# Altium PCB 冰墩墩.pcbdoc
Units mil, origin at the board's own origin, x right, y up, seen from the top; angles counter-clockwise.
Board outline 3531.82 x 3805.52 mil, 2 copper layers (Top Layer, Bottom Layer); 8 components, 9 nets, 1 pads, 0 vias.
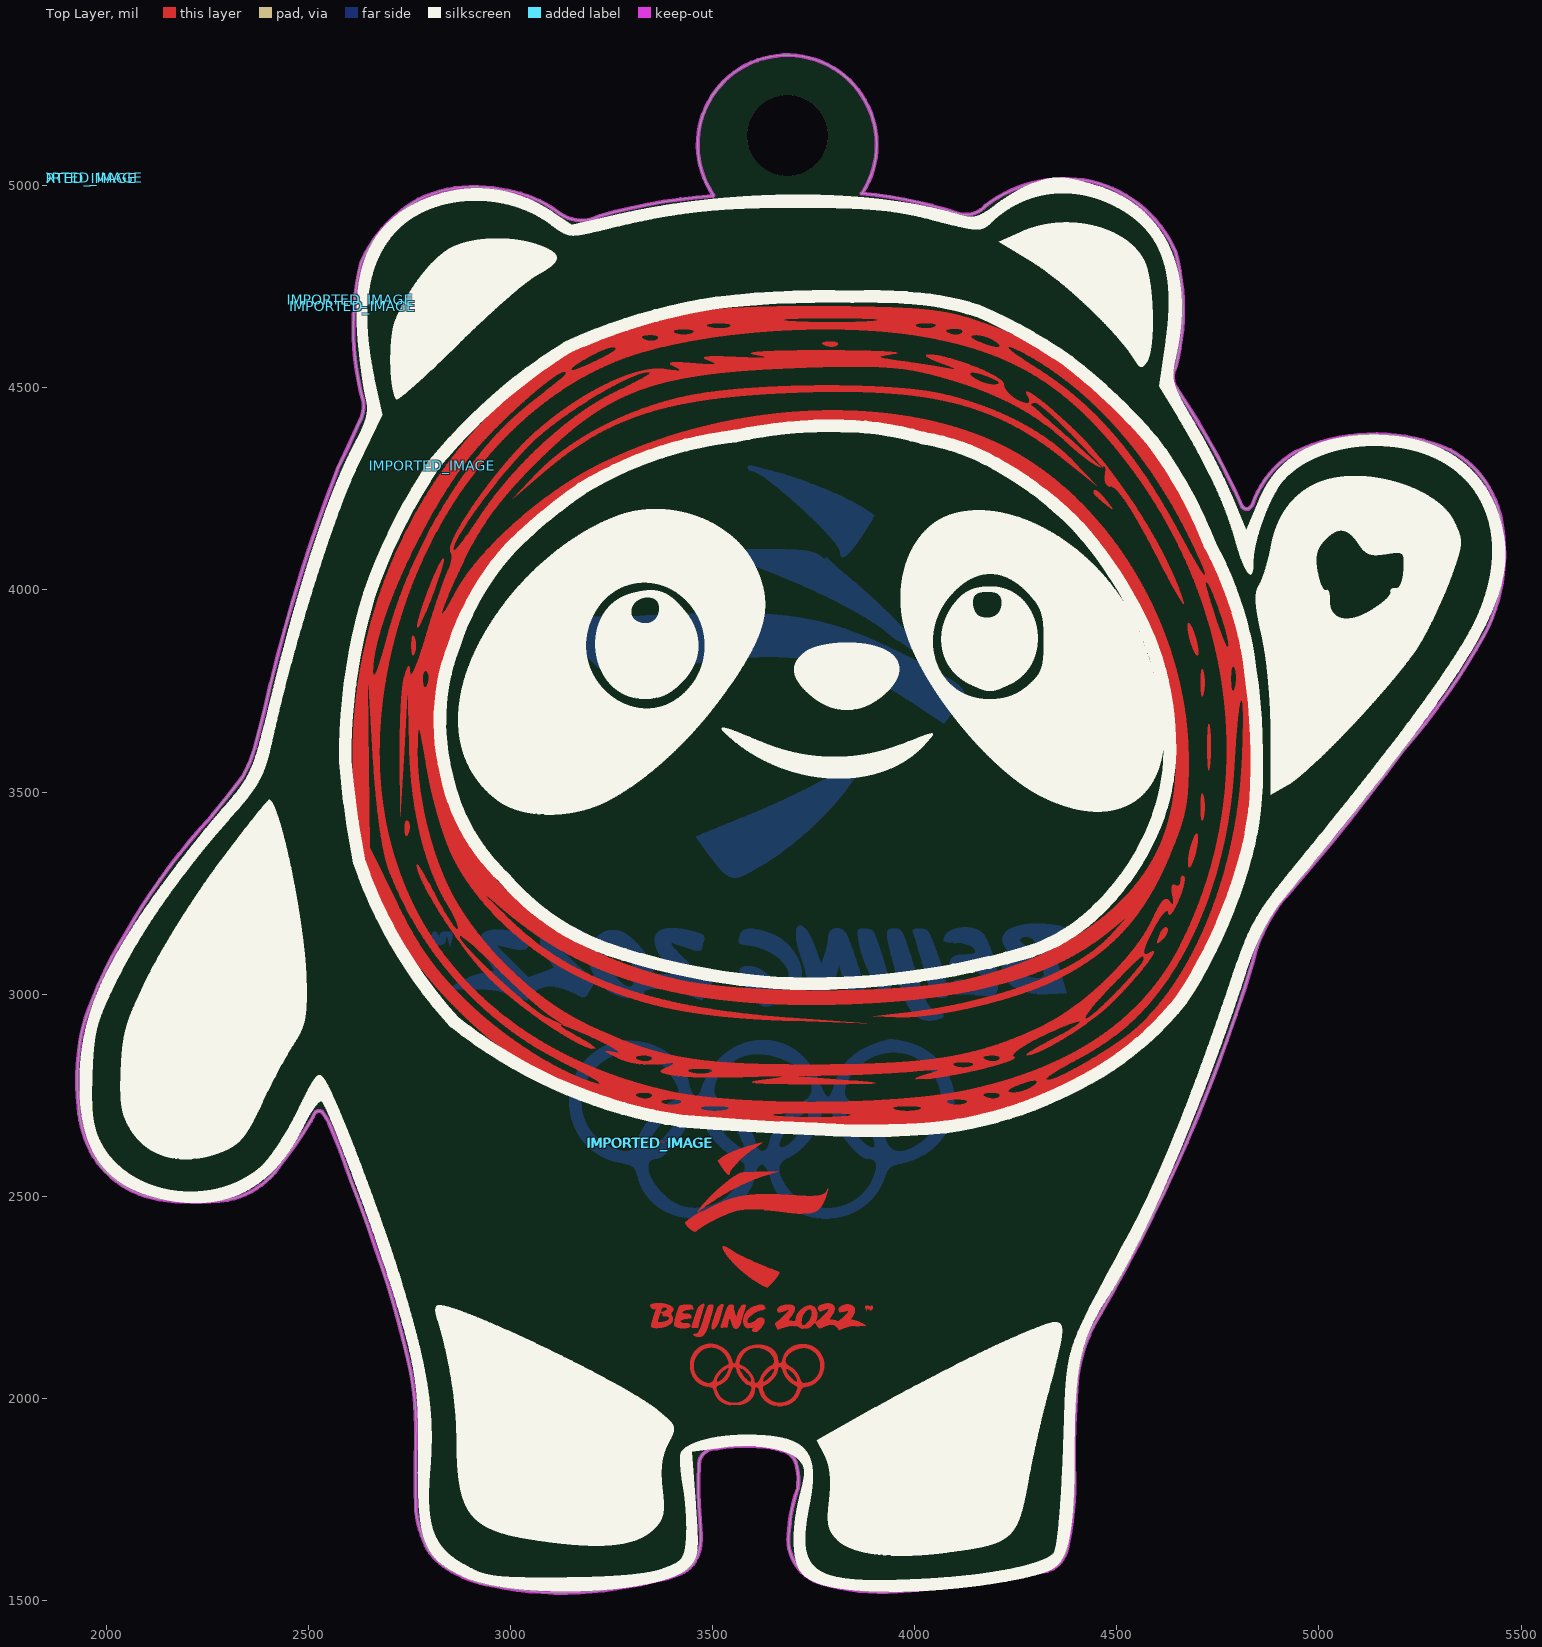
[diagram p0: Top Layer view]
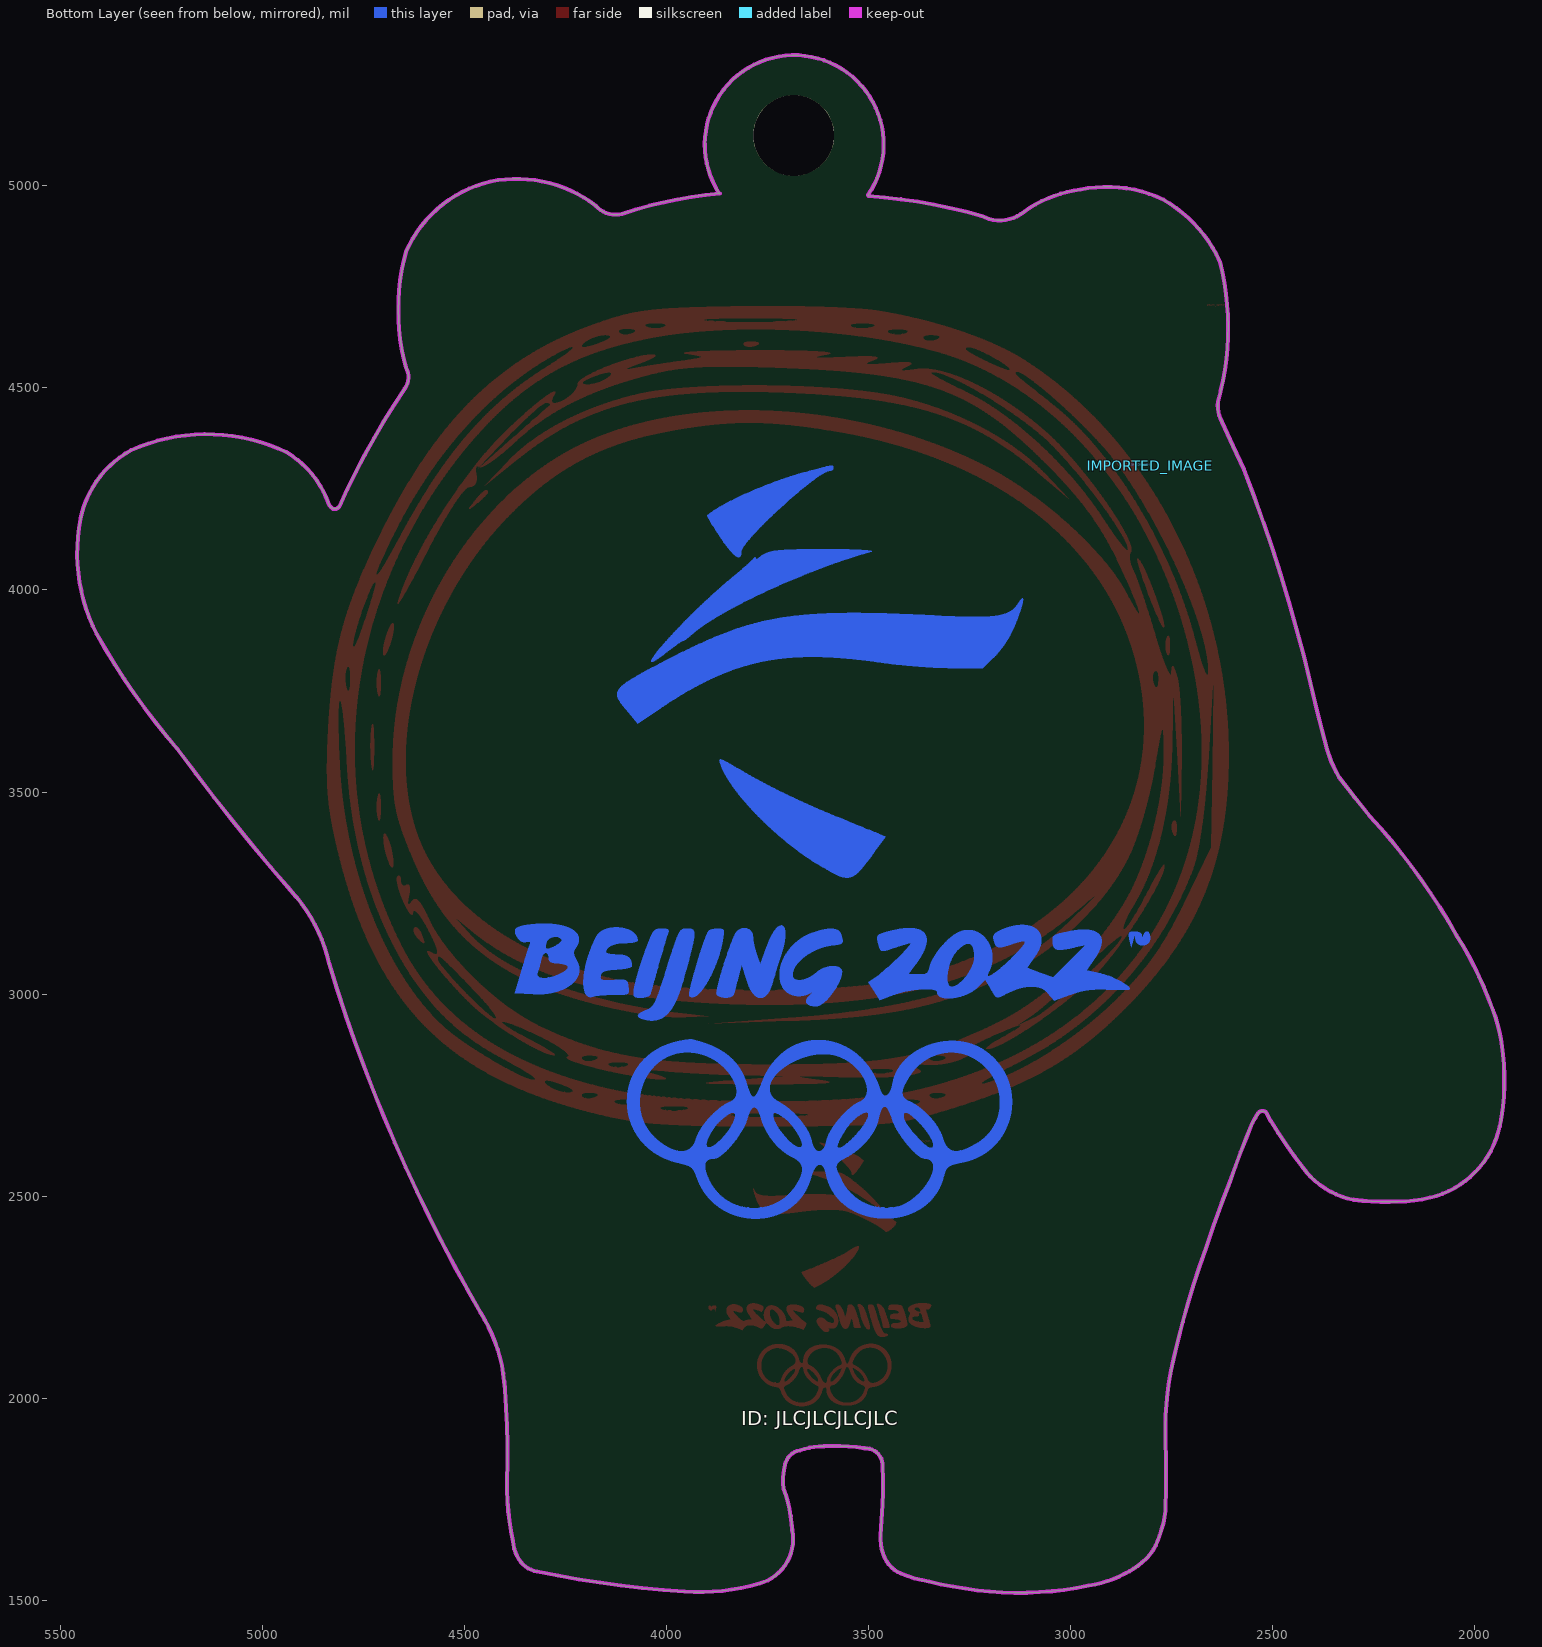
[diagram p1: Bottom Layer view, seen from below]

## Layer stack, top to bottom
Top Solder: solder mask 0.4, Solder Resist, Dk 3.5
Top Layer: signal copper 1.4
Dielectric1: dielectric 12.6, FR-4, Dk 4.8
Bottom Layer: signal copper 1.4
Bottom Solder: solder mask 0.4, Solder Resist, Dk 3.5

## Board outline
2210.1,2485.94 ccw(c2220.82,3105.55) 2300.1,2490.94 ccw(c2262.68,2687.07) 2425.1,2570.94 ccw(c1106.26,3573.72) 2505.1,2685.94 cw(c2962.91,2469.54) 2515.1,2705.94 cw(c2525.1,2697.16) 2535.1,2705.94 cw(c2260.47,2524.16) 2550.1,2680.94 cw(c585.95,1852.98) 2605.1,2535.94 cw(c-61.69,1472.78) 2665.1,2370.94 cw(c526.65,1599.71) 2745.1,2095.94 cw(c2025.3,1923.59) 2765.1,1900.94 ccw(c6810.1,1810.94) 2765.1,1720.94 ccw(c3034.22,1752.53) 2785.1,1645.94 ccw(c2886.35,1680.94) 2815.1,1600.94 ccw(c2941.33,1728.04) 2865.1,1565.94 ccw(c2994.44,1803.95) 2955.1,1535.94 ccw(c3129.51,2376.22) 3200.1,1520.94 ccw(c3100.61,2580.42) 3350.1,1545.94 ccw(c3299.74,1854.71) 3420.1,1565.94 ccw(c3390.63,1635.74) 3455.1,1595.94 ccw(c3361.31,1651.81) 3470.1,1660.94 ccw(c2189.73,1613.25) 3465.1,1735.94 cw(c4754.43,1783.44) 3465.1,1830.94 cw(c3507.75,1833.29) 3510.1,1875.94 cw(c3585.28,1374.82) 3610.1,1880.94 cw(c3608.75,1687.83) 3670.1,1870.94 cw(c3661.28,1825.22) 3705.1,1840.94 cw(c3552.6,1796.52) 3710.1,1775.94 ccw(c4044.88,1652.92) 3688.79,1673.21 3688.8,1673.21 ccw(c3800.61,1650.82) 3770.1,1540.94 ccw(c3921.46,2075.4) 3955.1,1520.94 ccw(c3777.31,4176.07) 4320.1,1570.94 ccw(c4310.21,1634.54) 4365.1,1600.94 ccw(c4283.26,1653.22) 4380.1,1645.94 ccw(c3687.91,1790.91) 4395.1,1795.94 cw(c6254.96,1867.16) 4400.1,2020.94 cw(c4785.55,2003.69) 4460.1,2210.94 ccw(c909.44,4263.64) 4835.34,3077 4835.1,3075.94 cw(c5209.29,2993.52) 4930.1,3255.94 ccw(c513.68,7076.08) 5210.1,3605.94 ccw(c3907.21,4732.93) 5410.1,3890.94 ccw(c5022.46,4090.65) 5450.1,4175.94 ccw(c5204.82,4126.54) 5325.1,4345.94 ccw(c5138.04,3924.86) 4940.1,4340.94 ccw(c5066.9,4131.12) 4835.1,4210.94 cw(c4811.55,4224.49) 4825.1,4200.94 cw(c4821.55,4215.28) 4810.1,4205.94 ccw(c2987.87,3386.87) 4648.08,4498.23 4648.07,4498.23 cw(c4684.98,4526.75) 4645.1,4550.94 ccw(c4108.24,4693.44) 4645.1,4835.94 ccw(c4366.62,4715.26) 4435.1,5010.94 ccw(c4370.53,4697.42) 4175.1,4950.94 cw(c4126.24,4994.13) 4110.1,4930.94 ccw(c3767.36,3895.88) 3868.16,4981.54 3869.14,4980.9 ccw(c3683.94,5102.26) 3501.46,4976.87 3500.53,4975.45 ccw(c3612.33,3523.43) 3220.1,4925.94 cw(c3175.12,5009.9) 3115.1,4935.94 ccw(c2938.84,4692.94) 2975.1,4990.94 ccw(c2909.08,4679.37) 2770.1,4965.94 ccw(c2940.02,4670.49) 2630.05,4812.19 ccw(c3290.77,4648.68) 2635.1,4465.94 cw(c2555.64,4455.83) 2625.1,4415.94 2625.11,4415.94 cw(c-3843.83,7319.01) 2570.71,4297.64 2570.75,4297.62 ccw(c6467.58,2792.14) 2390.1,3700.94 cw(c-1139.36,4578.96) 2365.1,3605.94 cw(c2078.41,3687.38) 2335.1,3535.94 cw(c-713.05,5865.27) 2260.1,3440.94 ccw(c3432.87,2360.37) 2045.1,3145.94 ccw(c2837.08,2646.26) 1955.1,2960.94 ccw(c2316.49,2820.97) 1930.1,2850.94 ccw(c2521.6,2785.94) 1930.1,2720.94 ccw(c2232.9,2744.43) 1960.1,2610.94 ccw(c2165.61,2723.66) 2110.1,2495.94 ccw(c2202.74,2917.34)

## Design rules (kind name [scope] priority, off if disabled: settings)
Clearance [All] p1: gap=10 ignorepadtopadclearanceinfootprint=FALSE except(0: Arc-Hole Track-Hole SMDPad-Hole THPad-Hole Via-Hole Fill-Hole Poly-Hole Region-Hole Text-Hole)
PolygonConnect [All] p1: connectstyle=Relief reliefconductorwidth=10 reliefentries=4 polygonreliefangle="90 Angle" airgapwidth=10
RoutingVias [All] p1: holewidth=28 width=50 viastyle="Through Hole" minholewidth=28 minwidth=50 maxholewidth=28 maxwidth=50
SolderMaskExpansion [All] p1: expansion=4 istentingtop=FALSE
Width [All] p1: maxlimit=10 minlimit=10 preferedwidth=10
30 further rules are at their usual default settings.

## Components (designator, comment, footprint, x,y, rotation, side; value= is the part's Value field where it differs from the comment)
IMPORTED_IMAGE "Comment" IMPORTED_IMAGE#1 2805.01,4306.92 r0 top
IMPORTED_IMAGE "Comment" IMPORTED_IMAGE#2 2803.06,4307.5 r0 bottom
IMPORTED_IMAGE "Comment" IMPORTED_IMAGE#1 1918.76,5018.81 r0 top
IMPORTED_IMAGE "Comment" IMPORTED_IMAGE#1 3344.3,2630.38 r0 top
IMPORTED_IMAGE "Comment" IMPORTED_IMAGE#1 2603.08,4718.46 r0 top
IMPORTED_IMAGE "Comment" IMPORTED_IMAGE#1 1932.54,5020.63 r0 top
IMPORTED_IMAGE "Comment" IMPORTED_IMAGE#3 3346.17,2632.41 r0 top
IMPORTED_IMAGE "Comment" IMPORTED_IMAGE#4 2608.71,4702.52 r0 top

## Footprints (in the part's own frame and the unit in brackets; to place one, negate y for a bottom-side part, rotate by r counter-clockwise, add the part's x,y. Pads: shape width x height; smd on the part's side, far side on the other; paste and mask are expansions set on the pad)
IMPORTED_IMAGE#1 [mil]
IMPORTED_IMAGE#2 [mil]
  Top Layer region: 394 vertices and 0 holes, not listed, extent 783.84,-0.39 1096.16,226.21
  Top Layer region: 727 vertices and 0 holes, not listed, extent 689.04,206.42 1234.62,485.41
  Top Layer region: 858 vertices and 0 holes, not listed, extent 314.53,328.41 1318.98,638.18
  Top Layer region: 524 vertices and 0 holes, not listed, extent 654.74,726.96 1065.74,1019.41
  Top Layer region: 340 vertices and 0 holes, not listed, extent 0,1152.74 52.59,1191.93
  Top Layer region: 794 vertices and 2 holes, not listed, extent 1412.55,1133.34 1572.84,1308.29
  Top Layer region: 840 vertices and 0 holes, not listed, extent 1268.39,1142.54 1402.55,1314.95
  Top Layer region: 290 vertices and 0 holes, not listed, extent 1054.86,1145.72 1141,1315.17
  Top Layer region: 296 vertices and 0 holes, not listed, extent 1191.79,1145.62 1278.47,1316.78
  Top Layer region: 621 vertices and 0 holes, not listed, extent 902.71,1137.82 1073.21,1317.18
  Top Layer region: 2339 vertices and 1 holes, not listed, extent 50.09,1136.46 697.06,1324.48
  Top Layer region: 941 vertices and 0 holes, not listed, extent 761.14,1145.86 917.2,1337.9
  Top Layer region: 385 vertices and 0 holes, not listed, extent 1128.05,1145.62 1267.44,1373.15
  Top Layer region: 3524 vertices and 9 holes, not listed, extent 341.65,1419.69 1294.75,1863.32
IMPORTED_IMAGE#3 [mil]
  Top Layer region: 208 vertices and 0 holes, not listed, extent 165.38,-79.33 275.44,0.04
  Top Layer region: 220 vertices and 0 holes, not listed, extent 116.01,-171.26 316.32,-72.34
  Top Layer region: 629 vertices and 0 holes, not listed, extent 85.65,-220.22 438.85,-113.66
  Top Layer region: 262 vertices and 0 holes, not listed, extent 177.91,-359.65 318.51,-256.68
  Top Layer region: 534.76,-411.23 532.98,-417.46 531.62,-410.6 531.42,-409.55 531.26,-408.6 531.16,-407.77 531.11,-407.03 531.12,-406.38 531.19,-405.83 531.32,-405.35 531.53,-404.95 531.81,-404.62 532.16,-404.35 532.6,-404.14 533.12,-403.98 533.73,-403.87 534.44,-403.8 535.24,-403.76 536.14,-403.74 537.33,-403.81 538.45,-403.99 539.46,-404.28 540.36,-404.66 541.11,-405.12 541.69,-405.65 542.07,-406.23 542.23,-406.86 542.3,-407.68 542.38,-408.26 542.49,-408.61 542.64,-408.73 542.82,-408.61 543.06,-408.26 543.34,-407.68 543.68,-406.86 544.07,-406.03 544.49,-405.34 544.94,-404.78 545.41,-404.35 545.89,-404.05 546.38,-403.87 546.86,-403.82 547.32,-403.88 547.77,-404.07 548.18,-404.37 548.55,-404.78 548.88,-405.3 549.14,-405.94 549.34,-406.68 549.47,-407.52 549.52,-408.46 549.44,-409.44 549.22,-410.41 548.87,-411.35 548.42,-412.22 547.86,-413.01 547.23,-413.69 546.53,-414.24 545.78,-414.62 544.32,-414.98 543.13,-414.88 542.33,-414.38 542.03,-413.49 541.98,-413.01 541.84,-412.62 541.61,-412.33 541.3,-412.14 540.93,-412.05 540.51,-412.08 540.04,-412.22 539.54,-412.47 539.03,-412.69 538.55,-412.72 538.11,-412.56 537.71,-412.24 537.36,-411.76 537.09,-411.13 536.9,-410.38 536.8,-409.5 536.76,-408.97 536.71,-408.52 536.65,-408.15 536.58,-407.87 536.5,-407.68 536.4,-407.57 536.29,-407.55 536.17,-407.61 536.04,-407.76 535.9,-408 535.74,-408.32 535.57,-408.73 535.39,-409.22 535.19,-409.8 534.98,-410.47 534.76,-411.23
  Top Layer region: 109.55,-458.61 108.22,-458.6 107.04,-458.57 106,-458.52 105.09,-458.43 104.32,-458.31 103.66,-458.15 103.13,-457.93 102.7,-457.67 102.37,-457.35 102.13,-456.96 101.98,-456.5 101.91,-455.97 101.92,-455.36 101.99,-454.67 102.12,-453.88 102.31,-453 102.52,-452.04 102.77,-451.02 103.04,-449.95 103.33,-448.83 103.64,-447.66 103.98,-446.45 104.33,-445.2 104.7,-443.92 105.09,-442.6 105.49,-441.26 105.9,-439.89 106.33,-438.5 106.78,-437.09 107.23,-435.67 107.69,-434.23 108.16,-432.79 108.64,-431.35 109.12,-429.91 109.61,-428.48 110.1,-427.05 110.6,-425.63 111.09,-424.23 111.59,-422.84 112.08,-421.48 112.57,-420.15 113.06,-418.85 113.55,-417.58 114.02,-416.34 114.49,-415.15 114.95,-414 115.41,-412.9 115.85,-411.85 116.22,-411.04 116.65,-410.24 117.13,-409.45 117.66,-408.66 118.23,-407.89 118.84,-407.14 119.47,-406.41 120.14,-405.7 120.83,-405.01 121.55,-404.35 122.27,-403.71 123.01,-403.11 123.75,-402.55 124.49,-402.02 125.23,-401.53 125.97,-401.08 126.69,-400.68 127.39,-400.33 128.07,-400.03 128.73,-399.78 129.36,-399.58 129.95,-399.45 130.5,-399.37 131.01,-399.36 131.47,-399.42 131.88,-399.54 132.23,-399.73 132.52,-400 132.74,-400.35 132.9,-400.77 132.97,-401.28 132.97,-401.87 132.81,-402.48 132.29,-404.22 131.46,-406.94 130.36,-410.51 129.03,-414.78 127.52,-419.61 126.06,-424.26 125.49,-426.07 124.73,-428.49 123.99,-430.89 123.28,-433.26 122.6,-435.57 121.95,-437.82 121.33,-439.99 120.76,-442.07 120.23,-444.03 119.75,-445.88 119.32,-447.58 118.95,-449.13 118.63,-450.52 118.38,-451.73 118.2,-452.74 118.09,-453.55 118.05,-454.12 118.04,-454.44 118.02,-454.74 117.99,-455.03 117.95,-455.31 117.89,-455.57 117.82,-455.82 117.74,-456.05 117.64,-456.28 117.52,-456.49 117.39,-456.69 117.24,-456.88 117.08,-457.06 116.9,-457.22 116.7,-457.38 116.48,-457.52 116.24,-457.66 115.99,-457.78 115.71,-457.9 115.42,-458 115.1,-458.1 114.77,-458.19 114.41,-458.26 114.03,-458.33 113.63,-458.39 113.2,-458.45 112.76,-458.49 112.28,-458.53 111.79,-458.56 111.27,-458.58 110.72,-458.6 110.15,-458.61 109.55,-458.61
  Top Layer region: 258 vertices and 2 holes, not listed, extent -0.88,-458.92 56.07,-397.45
  Top Layer region: 328 vertices and 0 holes, not listed, extent 58.37,-459.53 104.95,-401.3
  Top Layer region: 320 vertices and 0 holes, not listed, extent 173.58,-460.52 234.95,-401.25
  Top Layer region: 153.67,-462.38 153.37,-462.36 153.08,-462.31 152.8,-462.23 152.53,-462.11 152.28,-461.95 152.05,-461.75 151.82,-461.52 151.62,-461.24 151.43,-460.93 151.25,-460.57 151.09,-460.18 150.95,-459.74 150.83,-459.26 150.72,-458.74 150.64,-458.18 150.57,-457.58 150.52,-456.93 150.5,-456.23 150.49,-455.49 150.5,-455.28 150.52,-455.04 150.55,-454.77 150.59,-454.46 150.64,-454.13 150.7,-453.77 150.78,-453.38 150.96,-452.52 151.17,-451.57 151.43,-450.51 151.72,-449.38 152.04,-448.15 152.39,-446.86 152.77,-445.5 153.18,-444.07 153.61,-442.59 154.07,-441.06 154.54,-439.49 155.04,-437.88 155.55,-436.24 156.08,-434.58 156.62,-432.9 157.17,-431.21 157.73,-429.52 158.29,-427.83 158.86,-426.15 159.44,-424.48 160.01,-422.84 160.58,-421.22 161.15,-419.64 161.72,-418.1 162.27,-416.61 162.55,-415.88 162.82,-415.17 163.09,-414.47 163.35,-413.79 163.62,-413.12 163.88,-412.48 164.13,-411.85 164.59,-410.82 165.09,-409.82 165.65,-408.86 166.24,-407.94 166.87,-407.06 167.53,-406.22 168.22,-405.43 168.93,-404.68 169.66,-403.98 170.39,-403.33 171.14,-402.73 171.89,-402.18 172.63,-401.69 173.37,-401.26 174.09,-400.89 174.8,-400.58 175.48,-400.33 176.14,-400.15 176.76,-400.04 177.35,-399.99 177.89,-400.02 178.39,-400.12 178.83,-400.3 179.22,-400.56 179.55,-400.89 179.81,-401.3 180,-401.8 180.11,-402.39 180.14,-403.06 180.08,-403.82 179.94,-404.67 179.69,-405.61 178.44,-409.91 176.15,-417.85 173.2,-428.1 171.42,-434.3 171.11,-435.36 170.78,-436.4 170.45,-437.44 170.11,-438.46 169.75,-439.47 169.39,-440.46 169.02,-441.44 168.64,-442.4 168.25,-443.35 167.86,-444.28 167.46,-445.19 167.05,-446.09 166.64,-446.97 166.22,-447.83 165.8,-448.67 165.38,-449.49 164.95,-450.29 164.52,-451.07 164.09,-451.83 163.65,-452.56 163.21,-453.28 162.78,-453.97 162.34,-454.64 161.9,-455.28 161.46,-455.9 161.03,-456.49 160.59,-457.06 160.16,-457.61 159.73,-458.13 159.31,-458.62 158.88,-459.08 158.47,-459.51 158.05,-459.92 157.65,-460.3 157.25,-460.64 156.85,-460.96 156.46,-461.25 156.08,-461.5 155.71,-461.73 155.35,-461.92 154.99,-462.08 154.64,-462.2 154.31,-462.29 153.98,-462.35 153.67,-462.38
  Top Layer region: 1204 vertices and 1 holes, not listed, extent 308.31,-463.86 532.06,-398.09
  Top Layer region: 450 vertices and 0 holes, not listed, extent 229.16,-468.55 283.25,-401.38
  Top Layer region: 224 vertices and 0 holes, not listed, extent 105.67,-480.69 154.94,-401.25
  Top Layer region: 1616 vertices and 9 holes, not listed, extent 97.28,-652.26 429.4,-498.08
IMPORTED_IMAGE#4 [mil]
  Top Layer region: 162 vertices and 0 holes, not listed, extent 1162.52,-100.28 1200.59,-87.91
  Top Layer region: 1201 vertices and 0 holes, not listed, extent 396.38,-476.75 1841.21,-196.3
  Top Layer region: 1879.35,-501.86 1879.08,-501.82 1878.74,-501.71 1878.33,-501.52 1877.84,-501.27 1877.28,-500.95 1876.65,-500.55 1875.94,-500.09 1875.16,-499.56 1874.3,-498.96 1873.37,-498.29 1872.36,-497.55 1871.28,-496.75 1870.12,-495.87 1868.88,-494.94 1867.57,-493.93 1865.7,-492.49 1863.69,-490.93 1861.55,-489.25 1860.42,-488.37 1857.68,-486.19 1855.02,-484.01 1852.45,-481.85 1849.98,-479.72 1847.63,-477.63 1845.41,-475.6 1843.34,-473.64 1841.42,-471.76 1839.69,-469.99 1838.13,-468.32 1836.78,-466.79 1835.65,-465.39 1834.74,-464.14 1834.07,-463.07 1833.66,-462.17 1833.52,-461.47 1833.53,-460.89 1833.56,-460.34 1833.61,-459.83 1833.67,-459.34 1833.75,-458.88 1833.85,-458.46 1833.97,-458.06 1834.11,-457.69 1834.26,-457.36 1834.43,-457.05 1834.62,-456.77 1834.82,-456.52 1835.04,-456.31 1835.28,-456.12 1835.54,-455.96 1835.81,-455.83 1836.1,-455.73 1836.4,-455.66 1836.73,-455.61 1837.06,-455.6 1837.42,-455.62 1837.79,-455.66 1838.17,-455.73 1838.58,-455.83 1838.99,-455.96 1839.43,-456.12 1839.88,-456.31 1840.34,-456.53 1840.82,-456.77 1841.31,-457.04 1841.82,-457.34 1842.34,-457.67 1842.88,-458.03 1843.44,-458.41 1844,-458.83 1844.59,-459.27 1845.18,-459.73 1845.79,-460.23 1846.42,-460.75 1847.05,-461.3 1847.71,-461.88 1848.37,-462.49 1849.05,-463.12 1849.74,-463.78 1850.45,-464.47 1851.17,-465.18 1851.9,-465.92 1852.64,-466.69 1853.4,-467.48 1854.17,-468.3 1854.96,-469.15 1855.75,-470.03 1856.56,-470.93 1857.38,-471.86 1858.21,-472.81 1859.05,-473.79 1859.91,-474.8 1860.78,-475.83 1861.66,-476.89 1862.55,-477.97 1863.45,-479.08 1864.36,-480.22 1865.29,-481.38 1866.22,-482.57 1867.96,-484.78 1869.58,-486.86 1871.08,-488.8 1872.13,-490.16 1873.11,-491.45 1874.03,-492.66 1874.88,-493.79 1875.66,-494.85 1876.37,-495.83 1877.02,-496.74 1877.6,-497.57 1878.11,-498.33 1878.55,-499.01 1878.92,-499.62 1879.22,-500.16 1879.45,-500.62 1879.61,-501.01 1879.7,-501.32 1879.72,-501.57 1879.67,-501.74 1879.54,-501.84 1879.35,-501.86
  Top Layer region: 168 vertices and 0 holes, not listed, extent 159.64,-794.8 225.81,-624.74
  Top Layer region: 194 vertices and 0 holes, not listed, extent 145.19,-863.65 156.14,-816.21
  Top Layer region: 258 vertices and 0 holes, not listed, extent 2066.24,-864.48 2092.66,-784.64
  Top Layer region: 187 vertices and 0 holes, not listed, extent 2098.39,-965.36 2108.32,-898.94
  Top Layer region: 177 vertices and 0 holes, not listed, extent 2114.95,-1148.25 2123.85,-1034.26
  Top Layer region: 186 vertices and 0 holes, not listed, extent 2098.39,-1272.77 2108.32,-1206.35
  Top Layer region: 162 vertices and 0 holes, not listed, extent 128.53,-1311.11 140.9,-1273.04
  Top Layer region: 2071.59,-1388.22 2070.7,-1388.6 2069.9,-1388.57 2069.17,-1388.11 2069.01,-1387.93 2068.85,-1387.72 2068.7,-1387.49 2068.55,-1387.23 2068.42,-1386.95 2068.29,-1386.64 2068.11,-1386.13 2067.95,-1385.58 2067.81,-1384.97 2067.68,-1384.31 2067.57,-1383.6 2067.48,-1382.85 2067.4,-1382.05 2067.34,-1381.21 2067.3,-1380.32 2067.27,-1379.39 2067.25,-1378.42 2067.26,-1377.42 2067.28,-1376.37 2067.31,-1375.29 2067.36,-1374.17 2067.43,-1373.02 2067.51,-1371.83 2067.61,-1370.61 2067.72,-1369.37 2067.84,-1368.09 2067.99,-1366.79 2068.14,-1365.46 2068.31,-1364.1 2068.5,-1362.72 2068.7,-1361.32 2068.92,-1359.9 2069.15,-1358.45 2069.39,-1356.99 2069.65,-1355.51 2069.92,-1354.02 2070.21,-1352.51 2070.51,-1350.98 2070.83,-1349.44 2071.15,-1347.9 2071.38,-1346.86 2071.61,-1345.82 2071.85,-1344.77 2072.1,-1343.73 2072.35,-1342.68 2072.6,-1341.62 2072.86,-1340.57 2073.95,-1336.43 2075.06,-1332.48 2076.21,-1328.72 2077.37,-1325.19 2078.55,-1321.89 2079.73,-1318.84 2080.9,-1316.07 2082.06,-1313.58 2083.19,-1311.4 2084.29,-1309.54 2085.35,-1308.03 2086.36,-1306.87 2087.31,-1306.1 2088.2,-1305.71 2089.01,-1305.74 2089.73,-1306.2 2089.9,-1306.38 2090.05,-1306.59 2090.21,-1306.83 2090.35,-1307.08 2090.48,-1307.37 2090.61,-1307.67 2090.79,-1308.18 2090.95,-1308.74 2091.09,-1309.35 2091.22,-1310 2091.33,-1310.71 2091.42,-1311.46 2091.5,-1312.26 2091.56,-1313.1 2091.61,-1313.99 2091.64,-1314.92 2091.65,-1315.89 2091.65,-1316.9 2091.63,-1317.94 2091.59,-1319.02 2091.54,-1320.14 2091.48,-1321.3 2091.39,-1322.48 2091.3,-1323.7 2091.19,-1324.95 2091.06,-1326.22 2090.92,-1327.53 2090.76,-1328.86 2090.59,-1330.21 2090.4,-1331.59 2090.2,-1332.99 2089.98,-1334.42 2089.75,-1335.86 2089.51,-1337.32 2089.25,-1338.8 2088.98,-1340.3 2088.69,-1341.81 2088.39,-1343.33 2088.08,-1344.87 2087.75,-1346.41 2087.52,-1347.45 2087.29,-1348.49 2087.05,-1349.54 2086.81,-1350.58 2086.56,-1351.64 2086.3,-1352.69 2086.04,-1353.74 2084.96,-1357.88 2083.84,-1361.84 2082.69,-1365.59 2081.53,-1369.13 2080.35,-1372.43 2079.17,-1375.47 2078,-1378.25 2076.84,-1380.73 2075.71,-1382.91 2074.61,-1384.77 2073.55,-1386.28 2072.54,-1387.44 2071.59,-1388.22
  Top Layer region: 1992.11,-1576.28 1991.91,-1576.26 1991.74,-1576.22 1991.58,-1576.16 1991.45,-1576.06 1991.32,-1575.94 1991.22,-1575.79 1991.13,-1575.62 1991.06,-1575.41 1991.01,-1575.18 1990.97,-1574.92 1990.95,-1574.49 1990.96,-1573.99 1991.02,-1573.42 1991.11,-1572.8 1991.23,-1572.11 1991.39,-1571.36 1991.59,-1570.54 1991.83,-1569.66 1992.1,-1568.72 1992.4,-1567.71 1992.74,-1566.64 1993.12,-1565.51 1993.53,-1564.31 1993.98,-1563.04 1994.46,-1561.71 1994.97,-1560.31 1995.52,-1558.85 1995.9,-1557.84 1996.45,-1556.44 1997.02,-1555.07 1997.59,-1553.75 1998.19,-1552.48 1998.79,-1551.24 1999.4,-1550.05 2000.02,-1548.91 2000.66,-1547.82 2001.29,-1546.77 2001.94,-1545.77 2002.58,-1544.82 2003.23,-1543.93 2003.89,-1543.09 2004.54,-1542.3 2005.19,-1541.57 2005.84,-1540.9 2006.49,-1540.29 2007.13,-1539.73 2007.77,-1539.24 2008.4,-1538.8 2009.02,-1538.43 2009.64,-1538.13 2010.24,-1537.89 2010.83,-1537.71 2011.41,-1537.61 2011.98,-1537.57 2012.53,-1537.61 2013.06,-1537.71 2013.57,-1537.89 2014.07,-1538.15 2014.55,-1538.48 2015,-1538.88 2015.22,-1539.11 2015.42,-1539.35 2015.6,-1539.6 2015.78,-1539.86 2015.94,-1540.13 2016.09,-1540.41 2016.22,-1540.7 2016.34,-1541 2016.45,-1541.31 2016.54,-1541.62 2016.62,-1541.95 2016.69,-1542.29 2016.75,-1542.63 2016.79,-1542.99 2016.82,-1543.35 2016.83,-1543.72 2016.84,-1544.09 2016.83,-1544.48 2016.81,-1544.87 2016.78,-1545.27 2016.74,-1545.68 2016.68,-1546.09 2016.61,-1546.51 2016.53,-1546.93 2016.44,-1547.36 2016.33,-1547.8 2016.22,-1548.24 2016.09,-1548.69 2015.95,-1549.14 2015.8,-1549.6 2015.64,-1550.06 2015.47,-1550.53 2015.28,-1551 2015.09,-1551.47 2014.88,-1551.95 2014.67,-1552.43 2014.44,-1552.92 2014.2,-1553.4 2013.95,-1553.89 2013.69,-1554.39 2013.42,-1554.88 2013.14,-1555.38 2012.85,-1555.88 2012.55,-1556.38 2012.24,-1556.89 2011.92,-1557.39 2011.58,-1557.9 2011.24,-1558.4 2010.89,-1558.91 2010.53,-1559.42 2010.16,-1559.92 2009.78,-1560.43 2009.39,-1560.94 2008.99,-1561.45 2008.58,-1561.95 2008.17,-1562.46 2007.74,-1562.96 2007.3,-1563.47 2006.86,-1563.97 2006.41,-1564.47 2005.94,-1564.96 2005.47,-1565.46 2004.99,-1565.95 2004.51,-1566.44 2003.46,-1567.47 2002.46,-1568.45 2001.5,-1569.37 2000.59,-1570.23 1999.72,-1571.04 1998.89,-1571.79 1998.1,-1572.48 1997.36,-1573.12 1996.66,-1573.7 1996,-1574.22 1995.38,-1574.68 1994.81,-1575.09 1994.27,-1575.43 1993.78,-1575.72 1993.33,-1575.95 1992.91,-1576.12 1992.54,-1576.23 1992.21,-1576.28 1992.11,-1576.28
  Top Layer region: 10546 vertices and 11 holes, not listed, extent 116.48,-1925.38 2068.67,-109.53
  Top Layer region: 2499 vertices and 23 holes, not listed, extent -0.01,-2029.55 2231.53,0

## Free pads (board coordinates)
  round 200 hole 200 unplated: ""(3685,5125)

## Nets (pads, with @x,y where several pads share a name; then routed paths per layer and width w, separated by ;. In a path a pad name is that pad's centre, name@x,y a point inside that pad or via, vN(x,y) a via of type N, cw(c..) or ccw(c..) an arc to the next point about the centre after c; other vN are vias at no path point)
S$60: 
S$116: 
S$150: 
S$152: 
S$337: 
S$360: 
S$363: 
S$396: 
S$399: 

## Keep-outs
Keep-Out Layer:
  lines w10: 2570.71,4297.64 ccw(c-3843.83,7319.01) 2625.11,4415.94 ccw(c2555.64,4455.83) 2635.1,4465.94 cw(c3290.77,4648.68) 2630.05,4812.19 cw(c2940.02,4670.49) 2770.1,4965.94 cw(c2909.08,4679.37) 2975.1,4990.94 cw(c2938.84,4692.94) 3115.1,4935.94 ccw(c3175.12,5009.9) 3220.1,4925.94 cw(c3612.33,3523.43) 3500.53,4975.45 ; 2570.75,4297.62 ccw(c6467.58,2792.14) 2390.1,3700.94 cw(c-1139.36,4578.96) 2365.1,3605.94 cw(c2078.41,3687.38) 2335.1,3535.94 cw(c-713.05,5865.27) 2260.1,3440.94 ccw(c3432.87,2360.37) 2045.1,3145.94 ccw(c2837.08,2646.26) 1955.1,2960.94 ccw(c2316.49,2820.97) 1930.1,2850.94 ccw(c2521.6,2785.94) 1930.1,2720.94 ccw(c2232.9,2744.43) 1960.1,2610.94 ccw(c2165.61,2723.66) 2110.1,2495.94 ccw(c2202.74,2917.34) 2210.1,2485.94 ccw(c2220.82,3105.55) 2300.1,2490.94 ccw(c2262.68,2687.07) 2425.1,2570.94 ccw(c1106.26,3573.72) 2505.1,2685.94 cw(c2962.91,2469.54) 2515.1,2705.94 cw(c2525.1,2697.16) 2535.1,2705.94 cw(c2260.47,2524.16) 2550.1,2680.94 cw(c585.95,1852.98) 2605.1,2535.94 cw(c-61.69,1472.78) 2665.1,2370.94 cw(c526.65,1599.71) 2745.1,2095.94 cw(c2025.3,1923.59) 2765.1,1900.94 ccw(c6810.1,1810.94) 2765.1,1720.94 ccw(c3034.22,1752.53) 2785.1,1645.94 ccw(c2886.35,1680.94) 2815.1,1600.94 ccw(c2941.33,1728.04) 2865.1,1565.94 ccw(c2994.44,1803.95) 2955.1,1535.94 ccw(c3129.51,2376.22) 3200.1,1520.94 ccw(c3100.61,2580.42) 3350.1,1545.94 ccw(c3299.74,1854.71) 3420.1,1565.94 ccw(c3390.63,1635.74) 3455.1,1595.94 ccw(c3361.31,1651.81) 3470.1,1660.94 ccw(c2189.73,1613.25) 3465.1,1735.94 cw(c4754.43,1783.44) 3465.1,1830.94 cw(c3507.75,1833.29) 3510.1,1875.94 cw(c3585.28,1374.82) 3610.1,1880.94 cw(c3608.75,1687.83) 3670.1,1870.94 cw(c3661.28,1825.22) 3705.1,1840.94 cw(c3552.6,1796.52) 3710.1,1775.94 ccw(c4044.88,1652.92) 3688.79,1673.21 ccw(c3800.61,1650.82) 3770.1,1540.94 ccw(c3921.46,2075.4) 3955.1,1520.94 ccw(c3777.31,4176.07) 4320.1,1570.94 ccw(c4310.21,1634.54) 4365.1,1600.94 ccw(c4283.26,1653.22) 4380.1,1645.94 ccw(c3687.91,1790.91) 4395.1,1795.94 cw(c6254.96,1867.16) 4400.1,2020.94 cw(c4785.55,2003.69) 4460.1,2210.94 ccw(c909.44,4263.64) 4835.34,3077 ; 3501.46,4976.87 cw(c3683.94,5102.26) 3869.14,4980.9 ; 3868.16,4981.54 cw(c3767.36,3895.88) 4110.1,4930.94 ccw(c4126.24,4994.13) 4175.1,4950.94 cw(c4370.53,4697.42) 4435.1,5010.94 cw(c4366.62,4715.26) 4645.1,4835.94 cw(c4108.24,4693.44) 4645.1,4550.94 ccw(c4684.98,4526.75) 4648.08,4498.23 cw(c2987.87,3386.87) 4810.1,4205.94 ccw(c4821.55,4215.28) 4825.1,4200.94 ccw(c4811.55,4224.49) 4835.1,4210.94 cw(c5066.9,4131.12) 4940.1,4340.94 cw(c5138.04,3924.86) 5325.1,4345.94 cw(c5204.82,4126.54) 5450.1,4175.94 cw(c5022.46,4090.65) 5410.1,3890.94 cw(c3907.21,4732.93) 5210.1,3605.94 cw(c513.68,7076.08) 4930.1,3255.94 ccw(c5209.29,2993.52) 4835.1,3075.94

## Silkscreen, mask and mechanical layers (free items; w line width, h text height)
Top Overlay:
  lines w31.5: 2590.1,3575.94 ccw(c4919.45,3774.6) 2625.1,3325.94 ccw(c3702,3699.22) 2860.1,2930.94 ccw(c3604.36,3869.59) 3420.1,2685.94 ccw(c4016.48,9859.53) 3755.1,2665.94 ccw(c3885.37,4571.15) 4075.1,2670.94 ccw(c3945.4,3624.45) 4380.1,2765.94 ccw(c4053.38,3469.95) 4660.1,2985.94 ccw(c3622.51,3661.94) 4810.1,3310.94 ccw(c4056.43,3545.1) 4845.1,3515.94 ccw(c3219.09,3573.25) 4830.1,3800.94 ccw(c3967.73,3693.88) 4730.1,4110.94 ccw(c3702.28,3712.57) 4590.1,4365.94 ccw(c3504.44,3436.25) 4380.1,4565.94 ccw(c3680.47,3571.6) 4155.1,4690.94 ccw(c3944.68,4039.31) 4010.1,4720.94 ccw(c3887.6,3403.44) 3845.1,4725.94 ccw(c3786.01,2297.46) 3510.1,4710.94 ccw(c3719.51,3329.29) 3140.11,4600.94 ccw(c3847.99,3462.66) 2810.1,4310.94 ccw(c3959.2,3536.39) 2650.1,3990.94 ccw(c3977.21,3587.23) 2590.1,3575.94 ; 2840.1,3545.94 ccw(c3316.56,3641.22) 2985.1,3285.94 ccw(c3438.09,3672.71) 3240.1,3110.94 ccw(c3761.99,4644.25) 3695.1,3025.94 ccw(c3735.04,4961.39) 4270.1,3100.94 ccw(c4150.92,3512.04) 4450.1,3205.94 ccw(c4037.1,3640.57) 4575.1,3375.94 ccw(c4109.81,3611.46) 4630.1,3575.94 ccw(c3926.65,3614.51) 4540.1,3960.94 ccw(c3705.93,3527.67) 4405.1,4155.94 ccw(c3791.55,3563.65) 4220.1,4300.94 ccw(c3927.52,3824.89) 4020.1,4375.94 ccw(c3812.97,3676.71) 3820.1,4405.94 ccw(c3792.58,3280.69) 3555.1,4380.94 ccw(c3659.25,3456.13) 3175.1,4250.94 ccw(c3913.7,3181.43) 3000.1,4105.94 ccw(c3499.78,3653.63) 2860.1,3865.94 ccw(c3356.3,3674.3) 2840.1,3545.94
Bottom Overlay:
  text "JLCJLCJLCJLC" at 3730.1,1933.44 h35
  text "ID:" at 3815.1,1933.44 h35